# Altium PCB PCB-Relay-Board-V1.PcbDoc (part 3 of 5)
Units mil, origin at the board's own origin, x right, y up, seen from the top; angles counter-clockwise.
Board outline 6496.06 x 5078.74 mil, 8 copper layers (Top Layer, Inner1, Inner2, Inner3, Inner4, Inner5, Inner6, Bottom Layer), stack 59.685 mil thick; 429 components, 373 nets, 1663 pads, 713 vias.
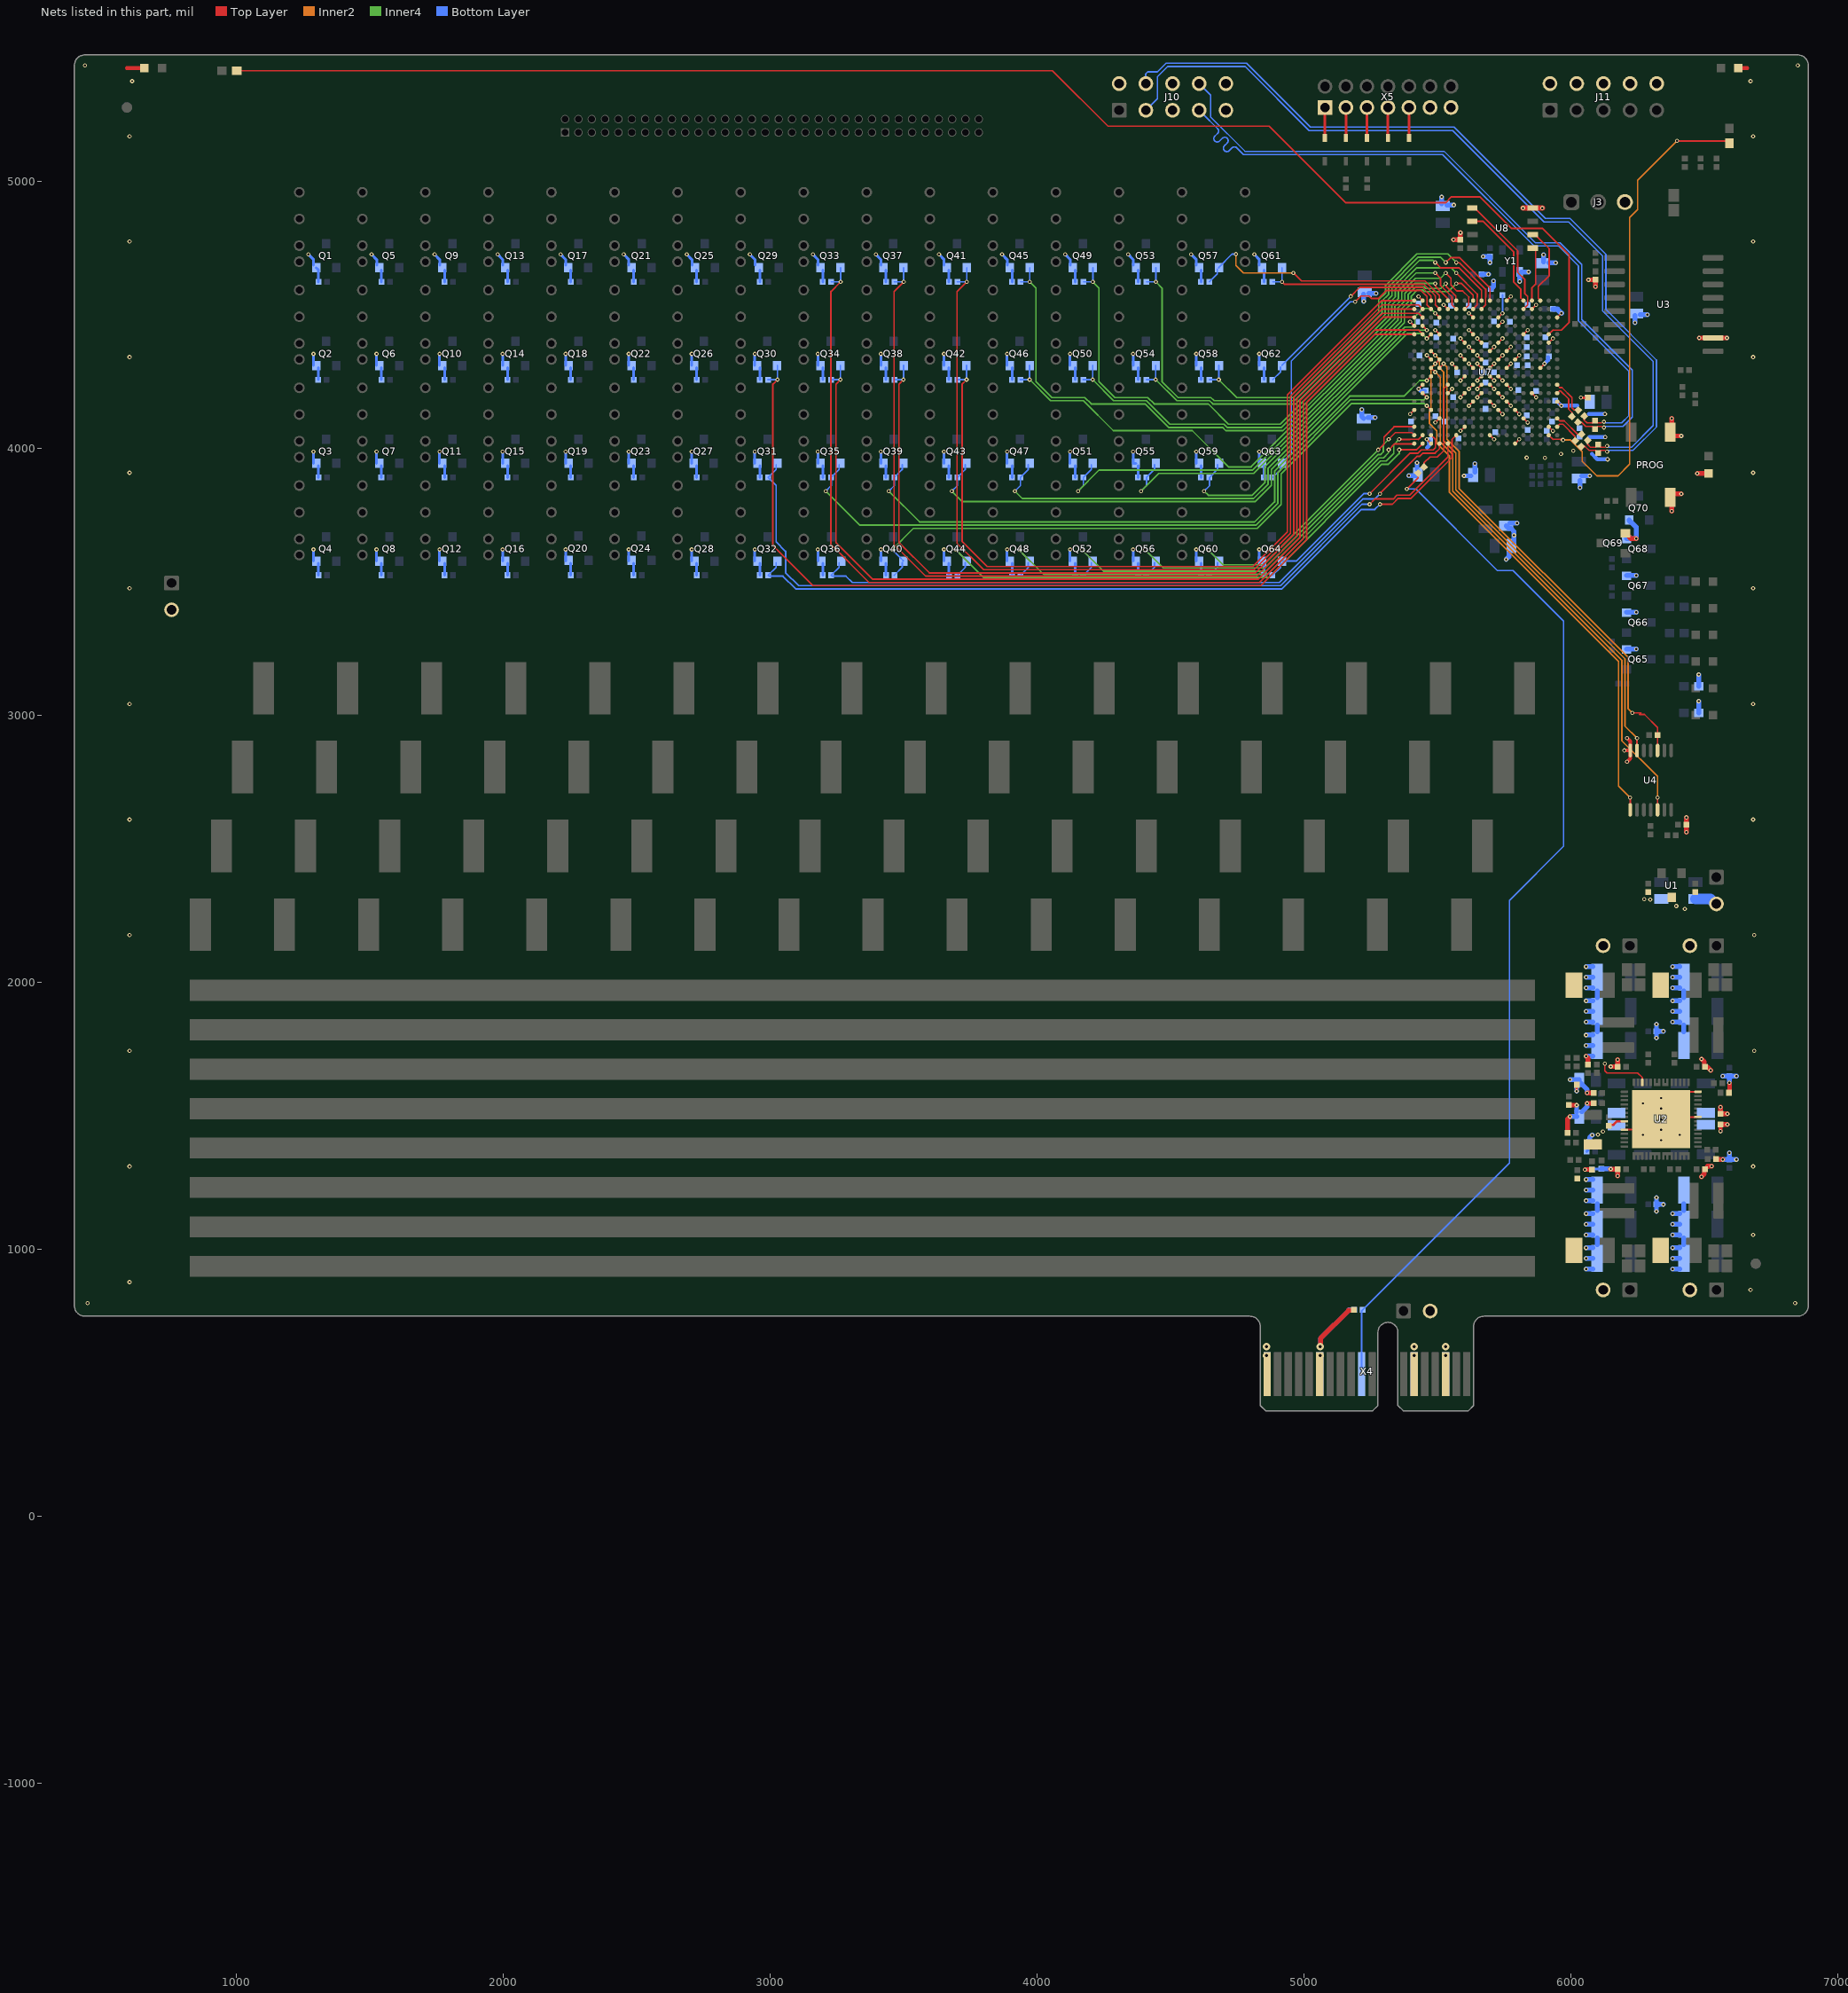
[diagram p9: the nets of this part, all layers, seen from the top]

## Via types
v1: diameter 15.75, hole 7.87, Top Layer to Bottom Layer, 631 vias
v2: diameter 27.56, hole 11.81, Top Layer to Bottom Layer, 82 vias

## Nets (pads, with @x,y where several pads share a name; then routed paths per layer and width w, separated by ;. In a path a pad name is that pad's centre, name@x,y a point inside that pad or via, vN(x,y) a via of type N, cw(c..) or ccw(c..) an arc to the next point about the centre after c; other vN are vias at no path point) (continued)
DRV30: Q30.1 R30.2 U7.E1 | length 3872.1
  Top Layer w6: v1(3027.45,4256.06) 3010.65,4239.27 3010.65,3633.53 3159.93,3484.25 4837.82,3484.25 5009.84,3656.27 5009.84,4168.64 5267.21,4426.02 U7.E1@5413.37,4426.02
  Bottom Layer w6: R30.2@2992.36,4256.06 v1(3027.45,4256.06) Q30.1@3027.45,4308.83
DRV31: Q31.1 R31.2 U7.V5 | length 3194.7
  Top Layer w6: v1(5246.06,3789.37) 5265.75,3809.06 5334.65,3809.06 5348.84,3823.25 5396.6,3823.25 5539.35,3966 U7.V5@5539.35,4016.57
  Bottom Layer w6: Q31.1@3022.68,3937.09 3022.68,3919.41 R31.2@2993.11,3889.84 3022.59,3860.36 3022.59,3648.5 3058.22,3612.87 3058.22,3533.04 3107.01,3484.25 4912.4,3484.25 5217.51,3789.37 v1(5246.06,3789.37)
DRV32: Q32.1 R32.2 U7.U6 | length 2931.2
  Top Layer w5: 5555.1,4000.82 5555.1,4032.32
  Top Layer w6: v1(5285.43,3789.37) 5331.93,3789.37 5353.81,3811.25 5401.57,3811.25 5555.1,3964.78 5555.1,4000.82 ; 5555.1,4032.32 U7.U6@5570.85,4048.06
  Bottom Layer w6: R32.2@2993.11,3523.62 3022.68,3553.19 Q32.1@3022.68,3570.87 ; R32.2@2996.94,3519.79 3048.25,3519.79 3095.78,3472.25 4917.37,3472.25 5214.8,3769.68 5265.75,3769.68 v1(5285.43,3789.37)
DRV33: Q33.1 R33.2 U7.E2 | length 4060.2
  Top Layer w5: 5397.62,4441.76 5429.12,4441.76
  Top Layer w6: v1(3264.42,4622.28) 3228.35,4586.21 3228.35,3638.68 3370.77,3496.25 4832.84,3496.25 4997.84,3661.24 4997.84,4173.61 5265.99,4441.76 5397.62,4441.76 ; 5429.12,4441.76 U7.E2@5444.87,4426.02
  Bottom Layer w6: R33.2@3229.33,4622.28 v1(3264.42,4622.28) Q33.1@3264.42,4675.05
DRV34: Q34.1 R34.2 U7.C1 | length 3633.7
  Top Layer w6: v1(3263.67,4256.06) 3246.87,4239.27 3246.87,3646.35 3384.98,3508.25 4827.87,3508.25 4985.84,3666.21 4985.84,4178.58 5297.84,4490.59 U7.C1@5411.79,4490.59
  Bottom Layer w6: R34.2@3228.58,4256.06 R34.2@3229.33,4256.06 v1(3263.67,4256.06) Q34.1@3263.67,4308.83
DRV35: Q35.1 R35.2 U7.M2 | length 2712.3
  Top Layer w6: U7.M2@5444.87,4205.54 v1(5460.61,4189.8)
  Inner4 w6: v1(3208.66,3838.58) 3336.36,3710.88 4820.37,3710.88 4902.44,3792.95 4902.44,3908.15 5174.55,4180.26 5449.38,4180.26 5458.92,4189.8 v1(5460.61,4189.8)
  Bottom Layer w6: v1(3208.66,3838.58) 3229.33,3859.25 R35.2@3229.33,3889.84 3258.9,3919.41 Q35.1@3258.9,3937.09
DRV36: Q36.1 R36.2 U7.V4 | length 2571.9
  Top Layer w6: v1(5285.43,3828.74) 5285.43,3830.6 5423.19,3968.36 5433.24,3968.36 5445.78,3980.9 5491.65,3980.9 5507.86,3997.1 U7.V4@5507.86,4016.57
  Bottom Layer w6: R36.2@3229.33,3523.62 3258.9,3553.19 Q36.1@3258.9,3570.87 ; R36.2@3233.16,3519.79 3284.47,3519.79 3308,3496.25 4907.43,3496.25 5220.23,3809.06 5265.75,3809.06 v1(5285.43,3828.74)
DRV37: Q37.1 R37.2 U7.C2 | length 3830.5
  Top Layer w5: 5397.62,4504.76 5429.12,4504.76
  Top Layer w6: v1(3500.64,4622.28) 3464.57,4586.21 3464.57,3638.16 3582.47,3520.25 4822.9,3520.25 4973.84,3671.19 4973.84,4183.56 5295.04,4504.76 5397.62,4504.76 ; 5429.12,4504.76 U7.C2@5444.87,4489.01
  Bottom Layer w6: R37.2@3465.55,4622.28 v1(3500.64,4622.28) Q37.1@3500.64,4675.05
DRV38: Q38.1 R38.2 U7.B1 | length 3391.9
  Top Layer w6: v1(3499.89,4256.06) 3483.09,4239.27 3483.09,3645.83 3596.67,3532.25 4817.93,3532.25 4961.84,3676.16 4961.84,4188.53 5293.82,4520.5 U7.B1@5413.37,4520.5
  Bottom Layer w6: R38.2@3464.8,4256.06 R38.2@3465.55,4256.06 v1(3499.89,4256.06) Q38.1@3499.89,4308.83
DRV39: Q39.1 R39.2 U7.K3 | length 2492.2
  Top Layer w6: v1(5460.61,4252.79) U7.K3@5476.36,4268.54
  Inner4 w6: v1(3444.88,3838.58) 3560.58,3722.88 4815.4,3722.88 4890.44,3797.92 4890.44,3913.12 5171.65,4194.34 5375.34,4194.34 5433.79,4252.79 v1(5460.61,4252.79)
  Bottom Layer w6: v1(3444.88,3838.58) 3465.55,3859.25 R39.2@3465.55,3889.84 3495.12,3919.41 Q39.1@3495.12,3937.09
DRV40: Q40.1 R40.2 U7.P3 | length 2442.2
  Top Layer w6: v1(5460.61,4158.3) U7.P3@5476.36,4142.55
  Inner4 w6: v1(3457.5,3619.48) 3536.9,3698.88 4825.34,3698.88 4914.44,3787.98 4914.44,3903.18 5177.29,4166.03 5450.83,4166.03 5458.56,4158.3 v1(5460.61,4158.3)
  Bottom Layer w6: v1(3457.5,3619.48) 3485.88,3591.11 3486.01,3591.11 3498.76,3578.36 Q40.1@3498.76,3576.39 ; R40.2@3465.55,3523.62 3495.12,3553.19 Q40.1@3495.12,3570.87
DRV41: Q41.1 R41.2 U7.B2 | length 3584.5
  Top Layer w5: 5397.62,4536.25 5429.12,4536.25
  Top Layer w6: v1(3736.86,4622.28) 3700.79,4586.21 3700.79,3643.22 3799.75,3544.25 4812.96,3544.25 4949.84,3681.13 4949.84,4193.5 5292.59,4536.25 5397.62,4536.25 ; 5429.12,4536.25 U7.B2@5444.87,4520.5
  Bottom Layer w6: R41.2@3701.77,4622.28 v1(3736.86,4622.28) Q41.1@3736.86,4675.05
DRV42: Q42.1 R42.2 U7.A1 | length 3145.8
  Top Layer w6: v1(3736.11,4256.06) 3719.32,4239.27 3719.32,3650.89 3813.95,3556.25 4807.99,3556.25 4937.84,3686.1 4937.84,4198.47 5291.37,4552 U7.A1@5413.37,4552
  Bottom Layer w6: R42.2@3701.02,4256.06 R42.2@3701.77,4256.06 v1(3736.11,4256.06) Q42.1@3736.11,4308.83
DRV43: Q43.1 R48.2 U7.E3 | length 2240.9
  Top Layer w6: v1(5460.61,4410.27) U7.E3@5476.36,4426.02
  Inner4 w6: v1(3681.1,3838.58) 3720.8,3798.88 4816.55,3798.88 4877.98,3860.31 4877.98,3919.25 5387.87,4429.13 5441.75,4429.13 v1(5460.61,4410.27)
  Bottom Layer w6: v1(3681.1,3838.58) 3701.77,3859.25 R48.2@3701.77,3889.84 3731.34,3919.41 Q43.1@3731.34,3937.09
DRV44: Q44.1 R49.2 U7.V2 | length 2108.4
  Top Layer w6: v1(5357.05,3993.35) 5421.65,3993.35 U7.V2@5444.87,4016.57
  Inner4 w6: v1(3695.6,3619.48) 3800.2,3514.88 4867.72,3514.88 5291.88,3939.04 5316.99,3939.04 5357.05,3979.09 v1(5357.05,3993.35)
  Bottom Layer w6: v1(3695.6,3619.48) Q44.1@3723.97,3591.11 ; R49.2@3701.77,3523.62 3731.34,3553.19 Q44.1@3731.34,3570.87
DRV45: Q45.1 R50.2 U7.B7 | length 2560.4
  Top Layer w5: 5618.09,4536.25 5618.09,4565.08
  Top Layer w6: v1(5531.5,4655.51) 5532.51,4654.5 5551.18,4635.83 5551.18,4610.31 5573.05,4588.44 5594.73,4588.44 5618.09,4565.08 ; U7.B7@5602.35,4520.5 5618.09,4536.25
  Inner4 w6: v1(3973.08,4622.28) 3996.06,4599.3 3996.06,4249.28 4056.22,4189.12 ; 4056.22,4189.15 4179.07,4189.15 4203.12,4165.1 4405.4,4165.1 4493.35,4077.15 4695.63,4077.15 4707.68,4065.1 4921.44,4065.1 5340.73,4484.4 5340.73,4530.22 5366.43,4555.91 5366.43,4584.48 5417.77,4635.83 5511.81,4635.83 v1(5531.5,4655.51)
  Bottom Layer w6: R50.2@3937.99,4622.28 v1(3973.08,4622.28) Q45.1@3973.08,4675.05
DRV46: Q46.1 R51.2 U7.A5 | length 2154.9
  Top Layer w6: v1(5492.13,4616.14) 5493.43,4614.84 5493.43,4605.58 5537.41,4561.59 5537.41,4553.94 U7.A5@5539.35,4552
  Inner4 w6: v1@3972.33,4256.04 4051.25,4177.12 ; 4051.25,4177.15 4174.1,4177.15 4286.15,4065.1 4581.62,4065.1 4717.62,3929.1 4802.47,3929.1 5352.78,4479.41 5352.78,4525.23 5378.47,4550.92 5378.47,4579.5 5415.11,4616.14 v1(5492.13,4616.14)
  Bottom Layer w6: R51.2@3937.24,4256.06 R51.2@3937.99,4256.06 v1(3972.33,4256.06) Q46.1@3972.33,4308.83
DRV47: Q47.1 R52.2 U7.D2 | length 1992.2
  Top Layer w6: U7.D2@5444.87,4457.51 v1(5460.61,4441.76)
  Inner4 w6: v1(3917.32,3838.58) 3945.02,3810.88 4811.58,3810.88 4865.98,3865.28 4865.98,3924.22 5382.9,4441.13 5459.98,4441.13 v1(5460.61,4441.76)
  Bottom Layer w6: v1(3917.32,3838.58) 3937.99,3859.25 3937.99,3889.84 3967.56,3919.41 Q47.1@3967.56,3937.09
DRV48: Q48.1 R53.2 U7.U2 | length 1886.5
  Top Layer w5: 5397.62,4032.32 5429.12,4032.32
  Top Layer w6: v1(5357.05,4032.72) 5357.45,4032.32 5397.62,4032.32 ; 5429.12,4032.32 U7.U2@5444.87,4048.06
  Inner4 w6: v1(3931.82,3619.48) 4024.42,3526.88 4862.75,3526.88 5286.91,3951.04 5308.3,3951.04 5336.39,3979.12 5336.39,4012.06 v1(5357.05,4032.72)
  Bottom Layer w6: v1(3931.82,3619.48) Q48.1@3960.19,3591.11 ; R53.2@3937.99,3523.62 3967.56,3553.19 Q48.1@3967.56,3570.87
DRV49: Q49.1 R54.2 U7.B8 | length 2344
  Top Layer w5: 5649.59,4536.25 5649.59,4565.08
  Top Layer w6: v1(5570.87,4655.51) 5649.59,4576.79 5649.59,4565.08 ; U7.B8@5633.84,4520.5 5649.59,4536.25
  Inner4 w6: v1(4209.3,4622.28) 4232.28,4599.3 4232.28,4249.25 ; 4232.28,4249.3 4292.44,4189.15 4415.29,4189.15 4439.34,4165.1 4641.62,4165.1 4717.62,4089.1 4911.5,4089.1 5316.73,4494.34 5316.73,4540.16 5342.43,4565.85 5342.43,4594.43 5423.2,4675.2 5551.18,4675.2 v1(5570.87,4655.51)
  Bottom Layer w6: R54.2@4174.21,4622.28 v1(4209.3,4622.28) Q49.1@4209.3,4675.05
DRV50: Q50.1 R55.2 U7.B6 | length 1896.3
  Top Layer w5: 5555.1,4536.25 5555.1,4565.16
  Top Layer w6: v1(5492.13,4655.51) 5511.81,4635.83 5511.81,4608.71 5555.1,4565.42 5555.1,4565.16 ; 5555.1,4536.25 U7.B6@5570.85,4520.5
  Inner4 w6: v1(4208.55,4256.06) 4287.47,4177.15 4410.32,4177.15 4498.37,4089.1 ; 4498.41,4089.15 4700.6,4089.15 4712.65,4077.1 4916.47,4077.1 5328.73,4489.37 5328.73,4535.19 5354.43,4560.88 5354.43,4589.46 5420.48,4655.51 v1(5492.13,4655.51)
  Bottom Layer w6: R55.2@4173.46,4256.06 v1(4208.55,4256.06) Q50.1@4208.55,4308.83
DRV51: Q51.1 R56.2 U7.A6 | length 1949
  Top Layer w6: v1(5531.5,4616.14) 5533.14,4614.5 5533.14,4605.92 5569.42,4569.64 5569.42,4553.43 U7.A6@5570.85,4552
  Inner4 w6: v1(4153.54,3838.58) 4232.28,3917.32 4232.51,3917.1 4807.44,3917.1 5364.78,4474.44 5364.78,4520.26 5390.47,4545.95 5390.47,4574.53 5420.08,4604.14 5449.66,4604.14 5456.22,4597.58 5512.93,4597.58 v1(5531.5,4616.14)
  Bottom Layer w6: v1(4153.54,3838.58) 4174.21,3859.25 4174.21,3889.84 4203.78,3919.41 Q51.1@4203.78,3937.09
DRV52: Q52.1 R57.2 U7.V1 | length 1582.4
  Top Layer w6: v1(5317.68,3993.35) 5339.85,4015.52 5412.32,4015.52 U7.V1@5413.37,4016.57
  Inner4 w6: v1(4168.04,3619.48) 4248.64,3538.88 4857.78,3538.88 5281.93,3963.04 5297.93,3963.04 5317.03,3982.13 5317.03,3992.7 v1(5317.68,3993.35)
  Bottom Layer w6: v1(4168.04,3619.48) Q52.1@4196.41,3591.11 ; R57.2@4174.21,3523.62 4203.78,3553.19 Q52.1@4203.78,3570.87
DRV53: Q53.1 R58.2 U7.A10 | length 2105
  Top Layer w6: v1(5531.5,4694.88) 5549.34,4712.73 5583.61,4712.73 5696.84,4599.5 U7.A10@5696.84,4552
  Inner4 w6: v1(4445.52,4622.28) 4468.5,4599.3 4468.5,4249.3 4528.66,4189.15 4651.51,4189.15 4663.56,4177.1 4965.05,4177.1 5292.37,4504.43 5292.37,4550.25 5318.07,4575.94 5318.07,4604.52 5428.46,4714.91 5511.47,4714.91 v1(5531.5,4694.88)
  Bottom Layer w6: R58.2@4410.43,4622.28 v1(4445.52,4622.28) Q53.1@4445.52,4675.05
DRV54: Q54.1 R59.2 U7.A9 | length 1697.5
  Top Layer w6: v1(5492.13,4694.88) 5511.81,4675.2 5580.71,4675.2 5665.34,4590.57 U7.A9@5665.34,4552
  Inner4 w6: v1(4444.77,4256.06) 4523.69,4177.15 4646.54,4177.15 4658.59,4165.1 4970.02,4165.1 5304.37,4499.46 5304.37,4545.28 5330.07,4570.97 5330.07,4599.55 5433.43,4702.91 5483.74,4702.91 5491.76,4694.88 v1(5492.13,4694.88)
  Bottom Layer w6: R59.2@4409.69,4256.06 v1(4444.77,4256.06) Q54.1@4444.77,4308.83
DRV55: Q55.1 R60.2 U7.A8 | length 1773.3
  Top Layer w6: v1(5570.87,4616.14) 5590.55,4616.14 5633.84,4572.85 U7.A8@5633.84,4552
  Inner4 w6: v1(4389.76,3838.58) 4456.28,3905.1 4812.41,3905.1 5376.78,4469.47 5376.78,4515.29 5402.47,4540.98 5402.47,4569.56 5425.05,4592.14 5444.69,4592.14 5451.25,4585.58 5540.3,4585.58 v1(5570.87,4616.14)
  Bottom Layer w6: v1(4389.76,3838.58) 4410.43,3859.25 4410.43,3889.84 4440,3919.41 Q55.1@4440,3937.09
DRV56: Q56.1 R61.2 U7.U1 | length 1366.7
  Top Layer w6: v1(5317.68,4032.72) 5342.41,4057.45 5403.98,4057.45 U7.U1@5413.37,4048.06
  Inner4 w6: v1(4404.26,3619.48) 4472.86,3550.88 4852.81,3550.88 5276.96,3975.04 5286.98,3975.04 5297.75,3985.81 5297.75,4012.8 v1(5317.68,4032.72)
  Bottom Layer w6: v1(4404.26,3619.48) Q56.1@4432.63,3591.11 ; R61.2@4410.43,3523.62 4440,3553.19 Q56.1@4440,3570.87
DRV57: Q57.1 R62.2 U7.A4 | length 1016.3
  Top Layer w6: v1(4960.63,4655.51) 4990.6,4625.54 5453.73,4625.54 5507.86,4571.42 U7.A4@5507.86,4552
  Inner2 w6: v1(4745.07,4726.27) 4745.07,4684.06 4773.62,4655.51 v1(4960.63,4655.51)
  Bottom Layer w6: R62.2@4645.91,4622.28 4675.47,4651.85 Q57.1@4675.47,4669.53 ; Q57.1@4681.74,4675.05 4681.74,4677.02 4730.99,4726.27 v1(4745.07,4726.27)
DRV58: Q58.1 R63.2 U7.B9 | length 1517.5
  Top Layer w5: 5681.09,4536.25 5681.09,4565.08
  Top Layer w6: v1(5570.87,4694.88) 5571.77,4693.98 5581.83,4693.98 5681.09,4594.72 5681.09,4565.08 ; U7.B9@5665.34,4520.5 5681.09,4536.25
  Inner4 w6: v1(4680.99,4256.06) 4747.95,4189.1 4960.08,4189.1 5280.37,4509.4 5280.37,4555.22 5306.07,4580.91 5306.07,4609.49 5423.49,4726.91 5538.84,4726.91 v1(5570.87,4694.88)
  Bottom Layer w6: R63.2@4645.91,4256.06 v1(4680.99,4256.06) Q58.1@4680.99,4308.83
DRV59: Q59.1 R64.2 U7.C4 | length 1362.4
  Top Layer w6: v1(5492.11,4504.76) U7.C4@5507.86,4489.01
  Inner4 w6: v1(4625.98,3838.58) 4641.69,3822.88 4806.61,3822.88 4853.98,3870.25 4853.98,3929.19 5377.92,4453.13 5404.97,4453.13 5416.36,4464.53 5416.36,4492 5447.35,4522.99 5473.88,4522.99 v1(5492.11,4504.76)
  Bottom Layer w6: v1(4625.98,3838.58) 4646.65,3859.25 4646.65,3889.84 4676.22,3919.41 Q59.1@4676.22,3937.09
DRV60: Q60.1 R65.2 U7.T1 | length 1125.6
  Top Layer w6: v1(5278.31,3993.35) 5299.86,4014.9 5299.86,4041.5 5337.92,4079.56 U7.T1@5413.37,4079.56
  Inner4 w6: v1(4640.48,3619.48) 4697.08,3562.88 4847.84,3562.88 v1(5278.31,3993.35)
  Bottom Layer w6: v1(4640.48,3619.48) Q60.1@4668.85,3591.11 ; R65.2@4646.65,3523.62 4676.22,3553.19 Q60.1@4676.22,3570.87
DRV61: Q61.1 R66.2 U7.B4 | length 739.8
  Top Layer w5: 5492.11,4536.25 5492.11,4567.75
  Top Layer w6: v1(4917.96,4622.28) 4926.7,4613.54 5448.76,4613.54 5492.11,4570.19 5492.11,4567.75 ; 5492.11,4536.25 U7.B4@5507.86,4520.5
  Bottom Layer w6: R66.2@4882.87,4622.28 v1(4917.96,4622.28) Q61.1@4917.96,4675.05
DRV62: Q62.1 R67.2 U7.A3 | length 770.8
  Top Layer w6: v1(5175.3,4568.1) 5208.74,4601.54 5443.79,4601.54 5476.36,4568.97 U7.A3@5476.36,4552
  Bottom Layer w6: R67.2@4882.87,4256.06 4912.44,4285.63 Q62.1@4912.44,4303.31 ; Q62.1@4917.96,4308.83 4917.96,4310.8 Q62.1@4930.71,4323.55 ; Q62.1@4930.75,4323.55 v1(5175.3,4568.1)
DRV63: Q63.1 R68.2 U7.B3 | length 1144.6
  Top Layer w5: 5460.61,4536.25 5460.61,4567.75
  Top Layer w6: v1(5192.02,4547.48) 5213.54,4569 5243.99,4569 5253.22,4559.77 5278.13,4559.77 5307.89,4589.54 5438.82,4589.54 5460.61,4567.75 ; 5460.61,4536.25 U7.B3@5476.36,4520.5
  Bottom Layer w6: R68.2@4882.87,3889.84 4912.44,3919.41 Q63.1@4912.44,3937.09 ; Q63.1@4917.96,3942.61 4917.96,3944.58 4930.71,3957.33 4952.92,3979.54 4952.92,4325.9 5174.5,4547.48 v1(5192.02,4547.48)
DRV64: Q64.1 R69.2 U7.U3 | length 863.2
  Top Layer w5: 5492.11,4000.82 5492.11,4032.32
  Top Layer w6: v1(5246.06,3828.74) 5398.21,3980.89 5427.77,3980.89 5439.71,3992.83 5484.12,3992.83 5492.11,4000.82 ; U7.U3@5476.36,4048.06 5492.11,4032.32
  Bottom Layer w6: R69.2@4882.87,3523.62 4912.44,3553.19 Q64.1@4912.44,3570.87 ; Q64.1@4917.96,3576.39 4971.27,3576.39 5223.62,3828.74 v1(5246.06,3828.74)
ECLK_4: U7.A14 U8.6 | length 399.9
  Top Layer w6: U8.6@5631.08,4848.65 5671.84,4848.65 5785.62,4734.87 5785.62,4621.86 5812.93,4594.55 5812.93,4561.89 U7.A14@5822.82,4552
ECS_4: U7.A15 U8.1 | length 195.5
  Top Layer w6: U7.A15@5854.32,4552 5854.32,4600.27 5868.36,4614.31 U8.1@5868.36,4741.65
ESI_4: U7.B14 U8.5 | length 456.7
  Top Layer w5: 5838.57,4536.25 5838.57,4567.75
  Top Layer w6: U8.5@5647.78,4891.65 5801.04,4738.39 5801.04,4657.82 5827.09,4631.77 5827.09,4579.22 5838.57,4567.75 ; U7.B14@5822.82,4520.5 5838.57,4536.25
ESO_4: U7.A16 U8.2 | length 278.1
  Top Layer w6: U8.2@5873.75,4791.65 5919.16,4746.25 5919.16,4646.35 5877.92,4605.12 5877.92,4560.59 U7.A16@5885.81,4552.7
F_CS_4: R122.1 U4.3 U7.J4 | length 1829.6
  Top Layer w6: U7.J4@5507.86,4300.03 v1(5523.61,4315.78) ; v1(6230.31,3007.87) 6263.78,3007.87 ; 6257.87,3001.97 6276.12,3001.97 6324.8,2953.29 U4.3@6324.8,2867.13
  Inner2 w6: v1(5523.61,4315.78) 5535.81,4303.58 5535.81,4032.98 5581.38,3987.41 5581.38,3848.73 6214.98,3215.13 6214.98,3023.21 v1(6230.31,3007.87)
F_HS1_4_N: R98.1 U7.M18 | length 129.1
  Top Layer w5.5: U7.M18@5948.98,4205.54 5957.17,4213.74 5961.73,4213.74 5991.86,4183.61 5991.86,4145.42 6003.89,4133.39 R98.1@6003.89,4118.22
F_HS1_4_P: R96.1 U7.L18 | length 140.8
  Top Layer w5.5: U7.L18@5948.63,4236.09 5958.48,4226.24 5966.91,4226.24 6004.36,4188.79 6004.36,4150.6 6013.08,4141.88 R96.1@6028.04,4141.88
F_HS2_4_N: R101.1 U7.T18 | length 105.8
  Top Layer w5.5: U7.T18@5948.8,4079.56 5958.3,4089.06 5970.22,4089.06 6016.41,4042.87 R101.1@6016.41,4027.7
F_HS2_4_P: R99.1 U7.R18 | length 116.5
  Top Layer w5.5: U7.R18@5948.8,4111.06 5958.3,4101.56 5975.4,4101.56 6025.6,4051.36 R99.1@6040.56,4051.36
F_MISO_4: U4.12 U7.J3 | length 2006.8
  Top Layer w6: U7.J3@5476.36,4300.03 v1(5492.11,4284.28) ; U4.12@6324.8,2644.69 v1(6324.8,2690.95)
  Inner2 w6: v1(5492.11,4284.28) 5510.96,4265.44 5510.96,4022.09 5557.38,3975.66 5557.38,3838.79 6190.98,3205.19 6190.98,2903.95 6324.8,2770.13 v1(6324.8,2690.95)